# KiCad board SmartCubePanel.kicad_pcb (continued)
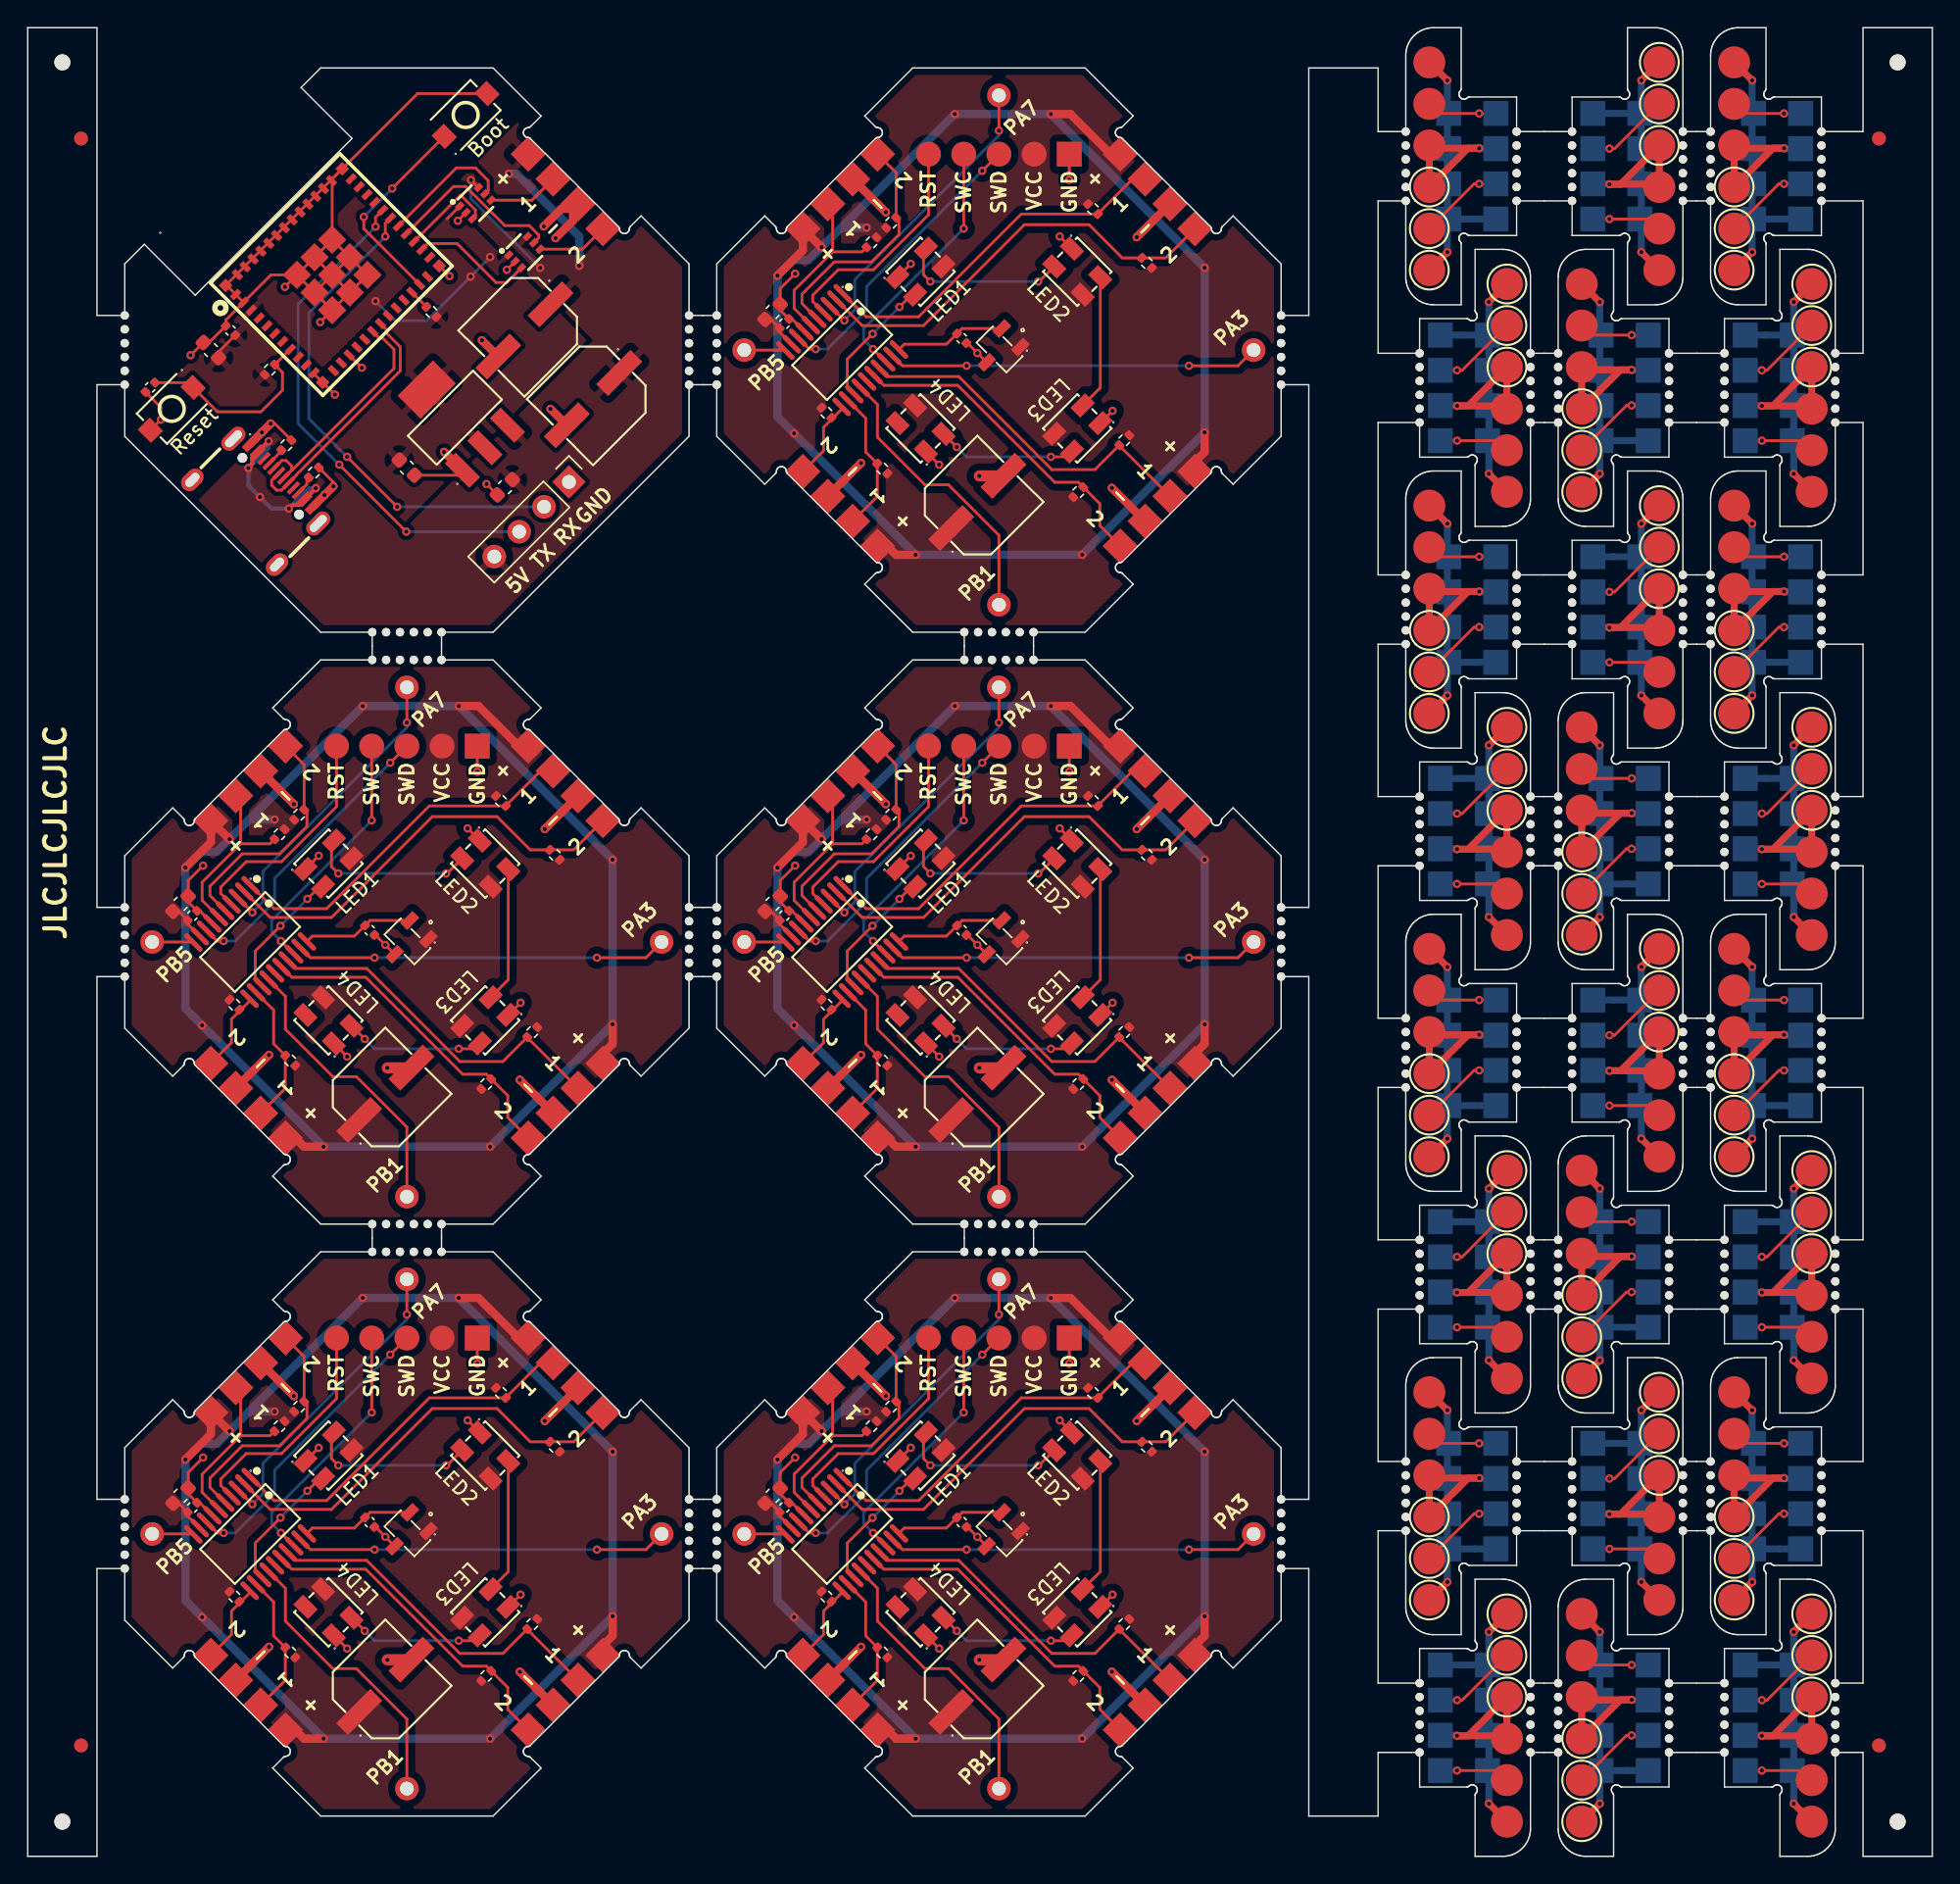
[diagram p0: board, top side]
## Nets (continued)
Board_1-Net-(LED1-DOUT): M_1_LED1.4 M_1_LED2.2
Board_1-Net-(LED2-DOUT): M_1_LED2.4 M_1_LED3.2
Board_1-Net-(LED3-DOUT): M_1_LED3.4 M_1_LED4.2
Board_1-unconnected-(LED4-DOUT-Pad4): M_1_LED4.4
Board_1-unconnected-(U1-PB0-Pad15): M_1_U1.15
Board_2-+5V: M_2_C1.2 M_2_C2.2 M_2_C4.1 M_2_J1.2 M_2_LED1.3 M_2_LED2.3 M_2_LED3.3 M_2_LED4.3 M_2_PinHeaderBottom1.1 M_2_PinHeaderLeft1.1 M_2_PinHeaderRight1.1 M_2_PinHeaderTop1.1 M_2_R1.1 M_2_R2.1 M_2_R3.1 M_2_R4.1 M_2_R5.1 M_2_R6.1 M_2_R7.1 M_2_R8.1 M_2_U1.9 M_2_U6.1
Board_2-/DataBottom1: M_2_PinHeaderBottom1.2 M_2_R6.2 M_2_U1.17
Board_2-/DataBottom2: M_2_PinHeaderBottom1.4 M_2_R5.2 M_2_U1.16
Board_2-/DataLeft1: M_2_PinHeaderLeft1.2 M_2_R8.2 M_2_U1.12
Board_2-/DataLeft2: M_2_PinHeaderLeft1.4 M_2_R7.2 M_2_U1.11
Board_2-/DataRight1: M_2_PinHeaderRight1.2 M_2_R4.2 M_2_U1.1
Board_2-/DataRight2: M_2_PinHeaderRight1.4 M_2_R3.2 M_2_U1.2
Board_2-/DataTop1: M_2_PinHeaderTop1.2 M_2_R2.2 M_2_U1.6
Board_2-/DataTop2: M_2_PinHeaderTop1.4 M_2_R1.2 M_2_U1.5
Board_2-/HallAdc: M_2_C3.2 M_2_U1.20 M_2_U6.3
Board_2-/LedIn: M_2_LED1.2 M_2_U1.13
Board_2-/Reset: M_2_J1.5 M_2_U1.4
Board_2-/ShieldBottomLeft: M_2_J3.1 M_2_U1.14
Board_2-/ShieldBottomRight: M_2_J5.1 M_2_U1.19
Board_2-/ShieldTopLeft: M_2_J2.1 M_2_U1.10
Board_2-/ShieldTopRight: M_2_J4.1 M_2_U1.3
Board_2-/SWC: M_2_J1.4 M_2_U1.18
Board_2-/SWD: M_2_J1.3 M_2_U1.8
Board_2-GND: M_2_C1.1 M_2_C2.1 M_2_C3.1 M_2_C4.2 M_2_J1.1 M_2_LED1.1 M_2_LED2.1 M_2_LED3.1 M_2_LED4.1 M_2_PinHeaderBottom1.3 M_2_PinHeaderLeft1.3 M_2_PinHeaderRight1.3 M_2_PinHeaderTop1.3 M_2_U1.7 M_2_U6.2
Board_2-Net-(LED1-DOUT): M_2_LED1.4 M_2_LED2.2
Board_2-Net-(LED2-DOUT): M_2_LED2.4 M_2_LED3.2
Board_2-Net-(LED3-DOUT): M_2_LED3.4 M_2_LED4.2
Board_2-unconnected-(LED4-DOUT-Pad4): M_2_LED4.4
Board_2-unconnected-(U1-PB0-Pad15): M_2_U1.15
Board_3-+5V: M_3_C1.2 M_3_C2.2 M_3_C4.1 M_3_J1.2 M_3_LED1.3 M_3_LED2.3 M_3_LED3.3 M_3_LED4.3 M_3_PinHeaderBottom1.1 M_3_PinHeaderLeft1.1 M_3_PinHeaderRight1.1 M_3_PinHeaderTop1.1 M_3_R1.1 M_3_R2.1 M_3_R3.1 M_3_R4.1 M_3_R5.1 M_3_R6.1 M_3_R7.1 M_3_R8.1 M_3_U1.9 M_3_U6.1
Board_3-/DataBottom1: M_3_PinHeaderBottom1.2 M_3_R6.2 M_3_U1.17
Board_3-/DataBottom2: M_3_PinHeaderBottom1.4 M_3_R5.2 M_3_U1.16
Board_3-/DataLeft1: M_3_PinHeaderLeft1.2 M_3_R8.2 M_3_U1.12
Board_3-/DataLeft2: M_3_PinHeaderLeft1.4 M_3_R7.2 M_3_U1.11
Board_3-/DataRight1: M_3_PinHeaderRight1.2 M_3_R4.2 M_3_U1.1
Board_3-/DataRight2: M_3_PinHeaderRight1.4 M_3_R3.2 M_3_U1.2
Board_3-/DataTop1: M_3_PinHeaderTop1.2 M_3_R2.2 M_3_U1.6
Board_3-/DataTop2: M_3_PinHeaderTop1.4 M_3_R1.2 M_3_U1.5
Board_3-/HallAdc: M_3_C3.2 M_3_U1.20 M_3_U6.3
Board_3-/LedIn: M_3_LED1.2 M_3_U1.13
Board_3-/Reset: M_3_J1.5 M_3_U1.4
Board_3-/ShieldBottomLeft: M_3_J3.1 M_3_U1.14
Board_3-/ShieldBottomRight: M_3_J5.1 M_3_U1.19
Board_3-/ShieldTopLeft: M_3_J2.1 M_3_U1.10
Board_3-/ShieldTopRight: M_3_J4.1 M_3_U1.3
Board_3-/SWC: M_3_J1.4 M_3_U1.18
Board_3-/SWD: M_3_J1.3 M_3_U1.8
Board_3-GND: M_3_C1.1 M_3_C2.1 M_3_C3.1 M_3_C4.2 M_3_J1.1 M_3_LED1.1 M_3_LED2.1 M_3_LED3.1 M_3_LED4.1 M_3_PinHeaderBottom1.3 M_3_PinHeaderLeft1.3 M_3_PinHeaderRight1.3 M_3_PinHeaderTop1.3 M_3_U1.7 M_3_U6.2
Board_3-Net-(LED1-DOUT): M_3_LED1.4 M_3_LED2.2
Board_3-Net-(LED2-DOUT): M_3_LED2.4 M_3_LED3.2
Board_3-Net-(LED3-DOUT): M_3_LED3.4 M_3_LED4.2
Board_3-unconnected-(LED4-DOUT-Pad4): M_3_LED4.4
Board_3-unconnected-(U1-PB0-Pad15): M_3_U1.15
Board_4-+5V: M_4_C1.2 M_4_C2.2 M_4_C4.1 M_4_J1.2 M_4_LED1.3 M_4_LED2.3 M_4_LED3.3 M_4_LED4.3 M_4_PinHeaderBottom1.1 M_4_PinHeaderLeft1.1 M_4_PinHeaderRight1.1 M_4_PinHeaderTop1.1 M_4_R1.1 M_4_R2.1 M_4_R3.1 M_4_R4.1 M_4_R5.1 M_4_R6.1 M_4_R7.1 M_4_R8.1 M_4_U1.9 M_4_U6.1
Board_4-/DataBottom1: M_4_PinHeaderBottom1.2 M_4_R6.2 M_4_U1.17
Board_4-/DataBottom2: M_4_PinHeaderBottom1.4 M_4_R5.2 M_4_U1.16
Board_4-/DataLeft1: M_4_PinHeaderLeft1.2 M_4_R8.2 M_4_U1.12
Board_4-/DataLeft2: M_4_PinHeaderLeft1.4 M_4_R7.2 M_4_U1.11
Board_4-/DataRight1: M_4_PinHeaderRight1.2 M_4_R4.2 M_4_U1.1
Board_4-/DataRight2: M_4_PinHeaderRight1.4 M_4_R3.2 M_4_U1.2
Board_4-/DataTop1: M_4_PinHeaderTop1.2 M_4_R2.2 M_4_U1.6
Board_4-/DataTop2: M_4_PinHeaderTop1.4 M_4_R1.2 M_4_U1.5
Board_4-/HallAdc: M_4_C3.2 M_4_U1.20 M_4_U6.3
Board_4-/LedIn: M_4_LED1.2 M_4_U1.13
Board_4-/Reset: M_4_J1.5 M_4_U1.4
Board_4-/ShieldBottomLeft: M_4_J3.1 M_4_U1.14
Board_4-/ShieldBottomRight: M_4_J5.1 M_4_U1.19
Board_4-/ShieldTopLeft: M_4_J2.1 M_4_U1.10
Board_4-/ShieldTopRight: M_4_J4.1 M_4_U1.3
Board_4-/SWC: M_4_J1.4 M_4_U1.18
Board_4-/SWD: M_4_J1.3 M_4_U1.8
Board_4-GND: M_4_C1.1 M_4_C2.1 M_4_C3.1 M_4_C4.2 M_4_J1.1 M_4_LED1.1 M_4_LED2.1 M_4_LED3.1 M_4_LED4.1 M_4_PinHeaderBottom1.3 M_4_PinHeaderLeft1.3 M_4_PinHeaderRight1.3 M_4_PinHeaderTop1.3 M_4_U1.7 M_4_U6.2
Board_4-Net-(LED1-DOUT): M_4_LED1.4 M_4_LED2.2
Board_4-Net-(LED2-DOUT): M_4_LED2.4 M_4_LED3.2
Board_4-Net-(LED3-DOUT): M_4_LED3.4 M_4_LED4.2
Board_4-unconnected-(LED4-DOUT-Pad4): M_4_LED4.4
Board_4-unconnected-(U1-PB0-Pad15): M_4_U1.15
Board_5-+5V: M_5_C1.2 M_5_C2.2 M_5_C4.1 M_5_J1.2 M_5_LED1.3 M_5_LED2.3 M_5_LED3.3 M_5_LED4.3 M_5_PinHeaderBottom1.1 M_5_PinHeaderLeft1.1 M_5_PinHeaderRight1.1 M_5_PinHeaderTop1.1 M_5_R1.1 M_5_R2.1 M_5_R3.1 M_5_R4.1 M_5_R5.1 M_5_R6.1 M_5_R7.1 M_5_R8.1 M_5_U1.9 M_5_U6.1
Board_5-/DataBottom1: M_5_PinHeaderBottom1.2 M_5_R6.2 M_5_U1.17
Board_5-/DataBottom2: M_5_PinHeaderBottom1.4 M_5_R5.2 M_5_U1.16
Board_5-/DataLeft1: M_5_PinHeaderLeft1.2 M_5_R8.2 M_5_U1.12
Board_5-/DataLeft2: M_5_PinHeaderLeft1.4 M_5_R7.2 M_5_U1.11
Board_5-/DataRight1: M_5_PinHeaderRight1.2 M_5_R4.2 M_5_U1.1
Board_5-/DataRight2: M_5_PinHeaderRight1.4 M_5_R3.2 M_5_U1.2
Board_5-/DataTop1: M_5_PinHeaderTop1.2 M_5_R2.2 M_5_U1.6
Board_5-/DataTop2: M_5_PinHeaderTop1.4 M_5_R1.2 M_5_U1.5
Board_5-/HallAdc: M_5_C3.2 M_5_U1.20 M_5_U6.3
Board_5-/LedIn: M_5_LED1.2 M_5_U1.13
Board_5-/Reset: M_5_J1.5 M_5_U1.4
Board_5-/ShieldBottomLeft: M_5_J3.1 M_5_U1.14
Board_5-/ShieldBottomRight: M_5_J5.1 M_5_U1.19
Board_5-/ShieldTopLeft: M_5_J2.1 M_5_U1.10
Board_5-/ShieldTopRight: M_5_J4.1 M_5_U1.3
Board_5-/SWC: M_5_J1.4 M_5_U1.18
Board_5-/SWD: M_5_J1.3 M_5_U1.8
Board_5-GND: M_5_C1.1 M_5_C2.1 M_5_C3.1 M_5_C4.2 M_5_J1.1 M_5_LED1.1 M_5_LED2.1 M_5_LED3.1 M_5_LED4.1 M_5_PinHeaderBottom1.3 M_5_PinHeaderLeft1.3 M_5_PinHeaderRight1.3 M_5_PinHeaderTop1.3 M_5_U1.7 M_5_U6.2
Board_5-Net-(LED1-DOUT): M_5_LED1.4 M_5_LED2.2
Board_5-Net-(LED2-DOUT): M_5_LED2.4 M_5_LED3.2
Board_5-Net-(LED3-DOUT): M_5_LED3.4 M_5_LED4.2
Board_5-unconnected-(LED4-DOUT-Pad4): M_5_LED4.4
Board_5-unconnected-(U1-PB0-Pad15): M_5_U1.15
Board_6-+5V: POGO_6_J2.1 POGO_6_J4.1 POGO_6_J5.1 POGO_6_J5.2 POGO_6_J5.3 POGO_6_J5.4 POGO_6_U1.1
Board_6-/Data1: POGO_6_J2.2 POGO_6_U2.1
Board_6-/Data2: POGO_6_J2.4 POGO_6_J3.1
Board_6-GND: POGO_6_J1.1 POGO_6_J2.3 POGO_6_U3.1
Board_7-+5V: POGO_7_J2.1 POGO_7_J4.1 POGO_7_J5.1 POGO_7_J5.2 POGO_7_J5.3 POGO_7_J5.4 POGO_7_U1.1
Board_7-/Data1: POGO_7_J2.2 POGO_7_U2.1
Board_7-/Data2: POGO_7_J2.4 POGO_7_J3.1
Board_7-GND: POGO_7_J1.1 POGO_7_J2.3 POGO_7_U3.1
Board_8-+5V: POGO_8_J2.1 POGO_8_J4.1 POGO_8_J5.1 POGO_8_J5.2 POGO_8_J5.3 POGO_8_J5.4 POGO_8_U1.1
Board_8-/Data1: POGO_8_J2.2 POGO_8_U2.1
Board_8-/Data2: POGO_8_J2.4 POGO_8_J3.1
Board_8-GND: POGO_8_J1.1 POGO_8_J2.3 POGO_8_U3.1
Board_9-+5V: POGO_9_J2.1 POGO_9_J4.1 POGO_9_J5.1 POGO_9_J5.2 POGO_9_J5.3 POGO_9_J5.4 POGO_9_U1.1
Board_9-/Data1: POGO_9_J2.2 POGO_9_U2.1
Board_9-/Data2: POGO_9_J2.4 POGO_9_J3.1
Board_9-GND: POGO_9_J1.1 POGO_9_J2.3 POGO_9_U3.1
Board_10-+5V: POGO_10_J2.1 POGO_10_J4.1 POGO_10_J5.1 POGO_10_J5.2 POGO_10_J5.3 POGO_10_J5.4 POGO_10_U1.1
Board_10-/Data1: POGO_10_J2.2 POGO_10_U2.1
Board_10-/Data2: POGO_10_J2.4 POGO_10_J3.1
Board_10-GND: POGO_10_J1.1 POGO_10_J2.3 POGO_10_U3.1
Board_11-+5V: POGO_11_J2.1 POGO_11_J4.1 POGO_11_J5.1 POGO_11_J5.2 POGO_11_J5.3 POGO_11_J5.4 POGO_11_U1.1
Board_11-/Data1: POGO_11_J2.2 POGO_11_U2.1
Board_11-/Data2: POGO_11_J2.4 POGO_11_J3.1
Board_11-GND: POGO_11_J1.1 POGO_11_J2.3 POGO_11_U3.1
Board_12-+5V: POGO_12_J2.1 POGO_12_J4.1 POGO_12_J5.1 POGO_12_J5.2 POGO_12_J5.3 POGO_12_J5.4 POGO_12_U1.1
Board_12-/Data1: POGO_12_J2.2 POGO_12_U2.1
Board_12-/Data2: POGO_12_J2.4 POGO_12_J3.1
Board_12-GND: POGO_12_J1.1 POGO_12_J2.3 POGO_12_U3.1
Board_13-+5V: POGO_13_J2.1 POGO_13_J4.1 POGO_13_J5.1 POGO_13_J5.2 POGO_13_J5.3 POGO_13_J5.4 POGO_13_U1.1
Board_13-/Data1: POGO_13_J2.2 POGO_13_U2.1
Board_13-/Data2: POGO_13_J2.4 POGO_13_J3.1
Board_13-GND: POGO_13_J1.1 POGO_13_J2.3 POGO_13_U3.1
Board_14-+5V: POGO_14_J2.1 POGO_14_J4.1 POGO_14_J5.1 POGO_14_J5.2 POGO_14_J5.3 POGO_14_J5.4 POGO_14_U1.1
Board_14-/Data1: POGO_14_J2.2 POGO_14_U2.1
Board_14-/Data2: POGO_14_J2.4 POGO_14_J3.1
Board_14-GND: POGO_14_J1.1 POGO_14_J2.3 POGO_14_U3.1
Board_15-+5V: POGO_15_J2.1 POGO_15_J4.1 POGO_15_J5.1 POGO_15_J5.2 POGO_15_J5.3 POGO_15_J5.4 POGO_15_U1.1
Board_15-/Data1: POGO_15_J2.2 POGO_15_U2.1
Board_15-/Data2: POGO_15_J2.4 POGO_15_J3.1
Board_15-GND: POGO_15_J1.1 POGO_15_J2.3 POGO_15_U3.1
Board_16-+5V: POGO_16_J2.1 POGO_16_J4.1 POGO_16_J5.1 POGO_16_J5.2 POGO_16_J5.3 POGO_16_J5.4 POGO_16_U1.1
Board_16-/Data1: POGO_16_J2.2 POGO_16_U2.1
Board_16-/Data2: POGO_16_J2.4 POGO_16_J3.1
Board_16-GND: POGO_16_J1.1 POGO_16_J2.3 POGO_16_U3.1
Board_17-+5V: POGO_17_J2.1 POGO_17_J4.1 POGO_17_J5.1 POGO_17_J5.2 POGO_17_J5.3 POGO_17_J5.4 POGO_17_U1.1
Board_17-/Data1: POGO_17_J2.2 POGO_17_U2.1
Board_17-/Data2: POGO_17_J2.4 POGO_17_J3.1
Board_17-GND: POGO_17_J1.1 POGO_17_J2.3 POGO_17_U3.1
Board_18-+5V: POGO_18_J2.1 POGO_18_J4.1 POGO_18_J5.1 POGO_18_J5.2 POGO_18_J5.3 POGO_18_J5.4 POGO_18_U1.1
Board_18-/Data1: POGO_18_J2.2 POGO_18_U2.1
Board_18-/Data2: POGO_18_J2.4 POGO_18_J3.1
Board_18-GND: POGO_18_J1.1 POGO_18_J2.3 POGO_18_U3.1
Board_19-+5V: POGO_19_J2.1 POGO_19_J4.1 POGO_19_J5.1 POGO_19_J5.2 POGO_19_J5.3 POGO_19_J5.4 POGO_19_U1.1
Board_19-/Data1: POGO_19_J2.2 POGO_19_U2.1
Board_19-/Data2: POGO_19_J2.4 POGO_19_J3.1
Board_19-GND: POGO_19_J1.1 POGO_19_J2.3 POGO_19_U3.1
Board_20-+5V: POGO_20_J2.1 POGO_20_J4.1 POGO_20_J5.1 POGO_20_J5.2 POGO_20_J5.3 POGO_20_J5.4 POGO_20_U1.1
Board_20-/Data1: POGO_20_J2.2 POGO_20_U2.1
Board_20-/Data2: POGO_20_J2.4 POGO_20_J3.1
Board_20-GND: POGO_20_J1.1 POGO_20_J2.3 POGO_20_U3.1
Board_21-+5V: POGO_21_J2.1 POGO_21_J4.1 POGO_21_J5.1 POGO_21_J5.2 POGO_21_J5.3 POGO_21_J5.4 POGO_21_U1.1
Board_21-/Data1: POGO_21_J2.2 POGO_21_U2.1
Board_21-/Data2: POGO_21_J2.4 POGO_21_J3.1
Board_21-GND: POGO_21_J1.1 POGO_21_J2.3 POGO_21_U3.1
Board_22-+5V: POGO_22_J2.1 POGO_22_J4.1 POGO_22_J5.1 POGO_22_J5.2 POGO_22_J5.3 POGO_22_J5.4 POGO_22_U1.1
Board_22-/Data1: POGO_22_J2.2 POGO_22_U2.1
Board_22-/Data2: POGO_22_J2.4 POGO_22_J3.1
Board_22-GND: POGO_22_J1.1 POGO_22_J2.3 POGO_22_U3.1
Board_23-+5V: POGO_23_J2.1 POGO_23_J4.1 POGO_23_J5.1 POGO_23_J5.2 POGO_23_J5.3 POGO_23_J5.4 POGO_23_U1.1
Board_23-/Data1: POGO_23_J2.2 POGO_23_U2.1
Board_23-/Data2: POGO_23_J2.4 POGO_23_J3.1
Board_23-GND: POGO_23_J1.1 POGO_23_J2.3 POGO_23_U3.1
Board_24-+5V: POGO_24_J2.1 POGO_24_J4.1 POGO_24_J5.1 POGO_24_J5.2 POGO_24_J5.3 POGO_24_J5.4 POGO_24_U1.1
Board_24-/Data1: POGO_24_J2.2 POGO_24_U2.1
Board_24-/Data2: POGO_24_J2.4 POGO_24_J3.1
Board_24-GND: POGO_24_J1.1 POGO_24_J2.3 POGO_24_U3.1
Board_25-+5V: POGO_25_J2.1 POGO_25_J4.1 POGO_25_J5.1 POGO_25_J5.2 POGO_25_J5.3 POGO_25_J5.4 POGO_25_U1.1
Board_25-/Data1: POGO_25_J2.2 POGO_25_U2.1
Board_25-/Data2: POGO_25_J2.4 POGO_25_J3.1
Board_25-GND: POGO_25_J1.1 POGO_25_J2.3 POGO_25_U3.1
Board_26-+5V: POGO_26_J2.1 POGO_26_J4.1 POGO_26_J5.1 POGO_26_J5.2 POGO_26_J5.3 POGO_26_J5.4 POGO_26_U1.1
Board_26-/Data1: POGO_26_J2.2 POGO_26_U2.1
Board_26-/Data2: POGO_26_J2.4 POGO_26_J3.1
Board_26-GND: POGO_26_J1.1 POGO_26_J2.3 POGO_26_U3.1
Board_27-+5V: POGO_27_J2.1 POGO_27_J4.1 POGO_27_J5.1 POGO_27_J5.2 POGO_27_J5.3 POGO_27_J5.4 POGO_27_U1.1
Board_27-/Data1: POGO_27_J2.2 POGO_27_U2.1
Board_27-/Data2: POGO_27_J2.4 POGO_27_J3.1
Board_27-GND: POGO_27_J1.1 POGO_27_J2.3 POGO_27_U3.1
Board_28-+5V: POGO_28_J2.1 POGO_28_J4.1 POGO_28_J5.1 POGO_28_J5.2 POGO_28_J5.3 POGO_28_J5.4 POGO_28_U1.1
Board_28-/Data1: POGO_28_J2.2 POGO_28_U2.1
Board_28-/Data2: POGO_28_J2.4 POGO_28_J3.1
Board_28-GND: POGO_28_J1.1 POGO_28_J2.3 POGO_28_U3.1
Board_29-+5V: POGO_29_J2.1 POGO_29_J4.1 POGO_29_J5.1 POGO_29_J5.2 POGO_29_J5.3 POGO_29_J5.4 POGO_29_U1.1
Board_29-/Data1: POGO_29_J2.2 POGO_29_U2.1
Board_29-/Data2: POGO_29_J2.4 POGO_29_J3.1
Board_29-GND: POGO_29_J1.1 POGO_29_J2.3 POGO_29_U3.1

## Via types
v1: diameter 0.6, hole 0.3, Top to Bottom, 339 vias

## Routing (per net, layer and track width the routed paths; a pad name or vN(x,y) marks a point on that pad's centre or on a via; arc(x,y) is an arc through that point)
Board_0-+3.3V: length 14.2
  Top w0.2: PSU_0_U8.1 30.26,118.2 ; PSU_0_C3.1 13.77,108.6 PSU_0_C2.1
  Bottom w0.2: v1(25.1,112.26) 26.52,110.85 28.78,110.85 v1(31.96,114.03) v1(33.38,115.45)
Board_0-+5V: length 33.3
  Top w0.2: PSU_0_U8.6 32,121 v1(31.99,121)
  Top w0.3: v1(17.4,102.15) PSU_0_U7.2 16.2,100.95 16.2,100.53 15.91,100.24 ; v1(18.85,97.29) 19.12,97.56 19.59,97.56 PSU_0_U7.11 v1(20.79,98.76)
  Bottom w0.2: v1(31.99,121) 31.99,119.66 v1(36.98,114.67)
  Bottom w0.3: v1(17.4,102.15) 17.4,101.68 v1(15.93,100.21) 15.93,98.95 v1(16.76,98.12) 17.59,97.29 v1(18.85,97.29) 20.32,98.76 v1(20.79,98.76)
  Bottom w0.6: v1(39.81,114.81) 39.81,116.93 35.29,121.46 v1(34.72,121.46)
Board_0-/DataTop1_3V3: length 9
  Top w0.2: PSU_0_U5.3 34.58,113.61 33.8,113.61 30.99,116.42 28.87,116.42 PSU_0_U4.26
Board_0-/DataTop1_5V: length 5.1
  Top w0.2: PSU_0_U9.4 40.04,116.01 PSU_0_U5.4
Board_0-/DataTop2_3V3: length 7
  Top w0.2: PSU_0_U8.3 32.32,118.42 32.32,118.84 31.25,119.91 31.23,119.91 PSU_0_U4.27
Board_0-/DataTop2_5V: length 5.1
  Top w0.2: PSU_0_U9.2 36.39,119.55 PSU_0_U8.4
Board_0-DIR1: length 13.1
  Top w0.2: PSU_0_U4.28 30.72,120.54 31.61,120.54 34.43,117.72 36.2,117.72 36.88,117.04 36.88,116.83 PSU_0_U5.5
Board_0-DIR2: length 9.7
  Top w0.2: PSU_0_U8.5 33.23,120.25 33.23,120.96 32.32,121.88 30.94,121.88 PSU_0_U4.29
Board_0-EN: length 14.8
  Top w0.2: PSU_0_C1.1 11.59,106.38 PSU_0_U2.2 ; PSU_0_U2.2 12.22,105.75 ; PSU_0_U2.2 13.7,104.27 16.83,104.27 18.39,105.83 18.39,107.12 PSU_0_R1.2 18.93,108.78 PSU_0_U4.8
Board_0-GND: length 98.9
  Top w0.2: PSU_0_R4.1 22.06,99.2 v1(22.06,98.9) ; PSU_0_U5.2 v1(34.58,114.53) ; PSU_0_U4.49 PSU_0_U4.49 ; PSU_0_U4.49 PSU_0_U4.49 PSU_0_U4.49 ; PSU_0_U4.49 v1(21.11,110.74) ; PSU_0_U4.49 PSU_0_U4.49 ; PSU_0_U4.49 17.55,114.16 PSU_0_U4.2 ; PSU_0_U4.49 v1(18.56,113.29) ; v1(24.11,107.46) PSU_0_U4.14 ; PSU_0_U4.49 21.97,121.09 PSU_0_U4.50 ; 18.89,102.37 17.83,103.43 v1(17.54,103.43) ; PSU_0_U4.11 20.67,107.01 PSU_0_U4.52 v1(22.17,105.51) ; PSU_0_U8.2 v1(31.04,118.06) ; v1(33.11,99.06) PSU_0_C4.1 ; v1(30.44,114.07) PSU_0_U4.51 ; PSU_0_U3.1 28.13,127.24 PSU_0_U4.50 ; PSU_0_U6.1 31.02,99.7 PSU_0_C5.2 ; PSU_0_U4.49 PSU_0_U4.49 ; 14.39,113.29 14.46,113.29 PSU_0_U4.2 ; PSU_0_U4.2 14.3,110.9 PSU_0_C3.2 13.09,109.28 PSU_0_C2.2 v1(11.76,108.36) ; PSU_0_U4.53 PSU_0_U4.50 ; PSU_0_U4.49 PSU_0_U4.49 ; PSU_0_C1.2 9.62,104.59 v1(9.62,103.71) PSU_0_U2.1
  Top w0.6: v1(17.54,103.43) v1(16.9,102.79) PSU_0_U7.1 ; v1(38.09,116.81) 39.37,118.08 39.37,118.93 38.52,118.93 v1(37.24,117.66) ; PSU_0_U7.12 v1(21.43,98.26) v1(22.06,98.9) ; v1(37.73,104.49) PSU_0_C7.2 ; PSU_0_U6.1 v1(30.05,101.38) ; v1(32.78,109.44) PSU_0_C6.2
Board_0-IO8: length 1.5
  Top w0.2: PSU_0_U4.22 PSU_0_R2.1
Board_0-IO9: length 14.8
  Top w0.2: PSU_0_U4.23 24.25,117.5 v1(24.25,118.35) ; v1(26.31,120.4) PSU_0_U3.2
  Bottom w0.2: v1(24.25,118.35) v1(26.31,120.4)
Board_0-PWR_USB_CC1: length 1.4
  Top w0.2: PSU_0_U7.4 18.17,101.3 18.17,101.65
Board_0-PWR_USB_CC2: length 1.2
  Top w0.2: 20.15,99.39 20.15,99.03 PSU_0_U7.10
Board_0-RX: length 36.5
  Top w0.2: v1(23.05,101.02) v1(26.66,97.42) ; PSU_0_U4.30 25.81,117.89 v1(25.81,116.93)
  Bottom w0.2: v1(25.81,116.93) 20.29,111.42 20.29,103.78 v1(23.05,101.02) ; v1(26.66,97.42) PSU_0_J1.2
Board_0-TX: length 37.1
  Top w0.2: PSU_0_U4.31 25.1,118.31 v1(25.1,117.64) ; v1(22.49,100.46) v1(27.32,95.62)
  Bottom w0.2: v1(22.49,100.46) 19.52,103.43 19.52,112.05 v1(25.1,117.64) ; v1(27.32,95.62) PSU_0_J1.3
Board_0-USB_D+: length 18.1
  Top w0.2: PSU_0_U4.18 25.88,110.21 25.88,109.97 26.88,108.96 26.88,107.22 19.41,99.75 19.41,99.71 PSU_0_U7.8 18.31,98.62 17.96,98.62 17.61,98.97 17.61,99.32 PSU_0_U7.6
Board_0-USB_D-: length 17.5
  Top w0.2: PSU_0_U7.5 18.33,100.76 18.65,100.76 19.04,100.37 19.04,100.05 PSU_0_U7.7 19.06,100.07 19.09,100.07 26.43,107.41 26.43,108.78 25.56,109.65 25.31,109.65 PSU_0_U4.17
Board_1-+5V: length 123.4
  Top w0.2: M_1_U1.9 11.54,67.29 M_1_C2.2 10.9,68.21 M_1_C1.2
  Top w0.6: 35.77,79.8 32.53,83.03 v1(31.11,83.03) ; 41.16,57.59 42.21,58.65 v1(42.21,60.06) ; v1(21.36,51.22) 19.94,51.22 18.96,52.2 ; v1(11.39,71.37) 13.22,73.21 M_1_PinHeaderTop1.1 14.55,73.42 v1(14.57,73.42)
  Bottom w0.6: 15.98,74.84 v1(17.82,74.84) ; 15.98,74.84 v1(14.57,73.42) 13.65,72.51 12.52,72.51 v1(11.39,71.37) 11.39,61.19 v1(12.59,59.99) v1(21.36,51.22) v1(33.38,51.22) v1(42.21,60.06) v1(42.21,71.94) 42.21,71.94 v1(31.11,83.03) v1(24.18,83.03) 24.18,83.03 15.98,74.84
Board_1-/DataBottom1: length 26.2
  Top w0.2: M_1_U1.17 19.34,64.09 24.47,64.09 31.18,57.37 34.3,57.37 M_1_R6.2 36.06,59.11 M_1_PinHeaderBottom1.2
Board_1-/DataBottom2: length 23.9
  Top w0.2: M_1_U1.16 19.06,63.45 24.4,63.45 31.4,56.45 33.11,56.45 M_1_R5.2 34.65,54.91 34.65,53.33 M_1_PinHeaderBottom1.4
Board_1-/DataLeft1: length 10.3
  Top w0.2: M_1_PinHeaderLeft1.2 18.59,55.43 M_1_R8.2 17.75,58.65 17.75,61.09 M_1_U1.12
Board_1-/DataLeft2: length 5.8
  Top w0.2: M_1_U1.11 16.01,61.73 14.71,60.43 14.71,58.73 M_1_PinHeaderLeft1.4
Board_1-/DataRight1: length 26.7
  Top w0.2: M_1_PinHeaderRight1.2 37.02,78.35 34.49,75.82 28.98,75.82 21.57,68.4 17.78,68.4 M_1_U1.1
Board_1-/DataRight2: length 31.5
  Top w0.2: M_1_PinHeaderRight1.4 39.41,72.65 36.27,72.65 33.87,75.05 29.2,75.05 21.92,67.77 17.5,67.77 M_1_U1.2
Board_1-/DataTop1: length 13.1
  Top w0.2: M_1_R2.2 17.49,73.09 15.37,73.09 ; M_1_U1.6 12.59,69.01 12.59,70.31 15.37,73.09 ; 15.37,73.09 15.37,76.2 M_1_PinHeaderTop1.2
Board_1-/DataTop2: length 17.5
  Top w0.2: M_1_U1.5 13.15,69.36 13.15,70.03 15.49,72.36 18.17,72.36 20.15,74.34 20.15,75.35 M_1_R1.2 19.95,78.81 M_1_PinHeaderTop1.4
Board_1-/HallAdc: length 8.1
  Top w0.2: M_1_U6.3 24.71,67.56 M_1_C3.2 23.58,66.42 20.54,66.42 M_1_U1.20
Board_1-/LedIn: length 9.6
  Top w0.2: M_1_LED1.2 21.07,70 v1(20.19,69.11) ; M_1_U1.13 16.42,63.33 16.42,65.35 v1(18.24,67.17)
  Bottom w0.2: v1(20.19,69.11) v1(18.24,67.17)
Board_1-/Reset: length 16.7
  Top w0.2: M_1_J1.5 22.29,75.77 18.31,71.8 15.77,71.8 13.93,69.96 13.93,69.5 M_1_U1.4
Board_1-/ShieldBottomLeft: length 20.8
  Top w0.2: M_1_J3.1 27.37,52.64 23.72,56.28 22.03,56.28 18.6,59.71 18.6,62.08 M_1_U1.14
Board_1-/ShieldBottomRight: length 26.8
  Top w0.2: M_1_J5.1 44.62,64.87 v1(41.08,64.87) ; v1(25.03,64.87) 20.4,64.87 M_1_U1.19
  Bottom w0.2: v1(41.08,64.87) v1(25.03,64.87)
Board_1-/ShieldTopLeft: length 3
  Top w0.2: M_1_U1.10 11.92,66 M_1_J2.1
Board_1-/ShieldTopRight: length 22.3
  Top w0.2: v1(16.21,68.14) M_1_U1.3 ; v1(27.37,81.84) M_1_J4.1
  Bottom w0.2: v1(16.21,68.14) 16.97,68.9 16.97,71.09 27.37,81.49 v1(27.37,81.84)
Board_1-/SWC: length 18.7
  Top w0.2: v1(24.83,74.77) M_1_J1.4 ; v1(18.28,66.07) M_1_U1.18
  Bottom w0.2: v1(18.28,66.07) 17.61,66.74 17.61,67.56 v1(24.83,74.77)
Board_1-/SWD: length 21.7
  Top w0.2: M_1_U1.8 13.68,66.07 v1(14.14,66.07) ; v1(26.16,78.94) M_1_J1.3
  Bottom w0.2: v1(14.14,66.07) 14.99,66.07 17.82,68.9 17.82,70.6 v1(26.16,78.94)
Board_1-GND: length 29.9
  Top w0.2: M_1_LED1.1 20.05,71.27 v1(21,72.22) ; M_1_LED2.1 v1(31.75,74.2) ; M_1_LED3.1 v1(35.57,61.62) ; v1(32.45,78.29) M_1_J1.1 ; M_1_U6.2 v1(25.81,65.79) 25.09,66.51 M_1_C3.1 ; v1(12.66,71.52) 11.58,70.44 M_1_C1.1 11.58,68.89 M_1_C2.1 12.42,68.25 M_1_U1.7 ; M_1_LED4.1 v1(23.05,57.73)
  Top w0.6: v1(19.2,75.96) 19.2,75.96 M_1_PinHeaderTop1.3 ; v1(37.31,74.15) M_1_PinHeaderRight1.3 ; v1(35.52,56.05) M_1_PinHeaderBottom1.3 ; v1(17.42,57.85) M_1_PinHeaderLeft1.3
  Top w0.8: v1(25.95,56.91) 27.68,56.91 M_1_C4.2
Board_1-Net-(LED1-DOUT): length 12
  Top w0.2: M_1_LED2.2 30.26,70.95 v1(30.19,70.95) ; M_1_LED1.4 21.92,73.14 21.92,71.44 v1(22.42,70.95)
  Bottom w0.2: v1(30.19,70.95) v1(22.42,70.95)
Board_1-Net-(LED2-DOUT): length 9.8
  Top w0.2: M_1_LED3.2 34.68,63.28 M_1_LED2.4
Board_1-Net-(LED3-DOUT): length 10.1
  Top w0.2: v1(24.33,59) M_1_LED4.2 ; M_1_LED3.4 32.24,58.29 v1(31.11,58.29)
  Bottom w0.2: v1(24.33,59) 25.03,58.29 v1(31.11,58.29)
Board_2-+5V: length 123.4
  Top w0.2: M_2_U1.9 11.54,24.56 M_2_C2.2 10.9,25.48 M_2_C1.2
  Top w0.6: v1(14.57,30.7) 14.55,30.7 M_2_PinHeaderTop1.1 13.22,30.48 v1(11.39,28.65) ; v1(31.11,40.31) 32.53,40.31 35.77,37.07 ; v1(21.36,8.49) 19.94,8.49 18.96,9.48 ; 41.16,14.86 42.21,15.92 v1(42.21,17.33)
  Bottom w0.6: 15.98,32.11 v1(14.57,30.7) 13.65,29.78 12.52,29.78 v1(11.39,28.65) 11.39,18.46 v1(12.59,17.26) v1(21.36,8.49) v1(33.38,8.49) v1(42.21,17.33) v1(42.21,29.21) 42.21,29.21 v1(31.11,40.31) v1(24.18,40.31) 24.18,40.31 15.98,32.11 ; 15.98,32.11 v1(17.82,32.11)
Board_2-/DataBottom1: length 26.2
  Top w0.2: M_2_U1.17 19.34,21.36 24.47,21.36 31.18,14.64 34.3,14.64 M_2_R6.2 36.06,16.38 M_2_PinHeaderBottom1.2
Board_2-/DataBottom2: length 23.9
  Top w0.2: M_2_U1.16 19.06,20.73 24.4,20.73 31.4,13.73 33.11,13.73 M_2_R5.2 34.65,12.18 34.65,10.6 M_2_PinHeaderBottom1.4
Board_2-/DataLeft1: length 10.3
  Top w0.2: M_2_PinHeaderLeft1.2 18.59,12.7 M_2_R8.2 17.75,15.92 17.75,18.36 M_2_U1.12
Board_2-/DataLeft2: length 5.8
  Top w0.2: M_2_PinHeaderLeft1.4 14.71,16 14.71,17.7 16.01,19 M_2_U1.11
Board_2-/DataRight1: length 26.7
  Top w0.2: M_2_PinHeaderRight1.2 37.02,35.62 34.49,33.09 28.98,33.09 21.57,25.68 17.78,25.68 M_2_U1.1
Board_2-/DataRight2: length 31.5
  Top w0.2: M_2_PinHeaderRight1.4 39.41,29.92 36.27,29.92 33.87,32.32 29.2,32.32 21.92,25.04 17.5,25.04 M_2_U1.2
Board_2-/DataTop1: length 13.1
  Top w0.2: M_2_PinHeaderTop1.2 15.37,33.47 15.37,30.36 ; 15.37,30.36 17.49,30.36 M_2_R2.2 ; 15.37,30.36 12.59,27.58 12.59,26.28 M_2_U1.6
Board_2-/DataTop2: length 17.5
  Top w0.2: M_2_PinHeaderTop1.4 19.95,36.08 M_2_R1.2 20.15,32.62 20.15,31.61 18.17,29.63 15.49,29.63 13.15,27.3 13.15,26.63 M_2_U1.5
Board_2-/HallAdc: length 8.1
  Top w0.2: M_2_U1.20 20.54,23.7 23.58,23.7 M_2_C3.2 24.71,24.83 M_2_U6.3
Board_2-/LedIn: length 9.6
  Top w0.2: v1(20.19,26.38) 21.07,27.27 M_2_LED1.2 ; M_2_U1.13 16.42,20.6 16.42,22.62 v1(18.24,24.44)
  Bottom w0.2: v1(20.19,26.38) v1(18.24,24.44)
Board_2-/Reset: length 16.7
  Top w0.2: M_2_J1.5 22.29,33.04 18.31,29.07 15.77,29.07 13.93,27.23 13.93,26.77 M_2_U1.4
Board_2-/ShieldBottomLeft: length 20.8
  Top w0.2: M_2_J3.1 27.37,9.91 23.72,13.55 22.03,13.55 18.6,16.98 18.6,19.35 M_2_U1.14
Board_2-/ShieldBottomRight: length 26.8
  Top w0.2: v1(25.03,22.14) 20.4,22.14 M_2_U1.19 ; M_2_J5.1 44.62,22.14 v1(41.08,22.14)
  Bottom w0.2: v1(41.08,22.14) v1(25.03,22.14)
Board_2-/ShieldTopLeft: length 3
  Top w0.2: M_2_J2.1 11.92,23.27 M_2_U1.10
Board_2-/ShieldTopRight: length 22.3
  Top w0.2: v1(16.21,25.41) M_2_U1.3 ; v1(27.37,39.11) M_2_J4.1
  Bottom w0.2: v1(27.37,39.11) 27.37,38.76 16.97,28.36 16.97,26.17 v1(16.21,25.41)
Board_2-/SWC: length 18.7
  Top w0.2: v1(24.83,32.04) M_2_J1.4 ; v1(18.28,23.34) M_2_U1.18
  Bottom w0.2: v1(24.83,32.04) 17.61,24.83 17.61,24.01 v1(18.28,23.34)
Board_2-/SWD: length 21.7
  Top w0.2: v1(26.16,36.21) M_2_J1.3 ; v1(14.14,23.34) 13.68,23.34 M_2_U1.8
  Bottom w0.2: v1(26.16,36.21) 17.82,27.87 17.82,26.17 14.99,23.34 v1(14.14,23.34)
Board_2-GND: length 29.9
  Top w0.2: M_2_U6.2 v1(25.81,23.06) 25.09,23.78 M_2_C3.1 ; M_2_U1.7 12.42,25.52 M_2_C2.1 11.58,26.16 M_2_C1.1 11.58,27.71 v1(12.66,28.79) ; M_2_LED2.1 v1(31.75,31.47) ; M_2_LED4.1 v1(23.05,15) ; M_2_LED1.1 20.05,28.54 v1(21,29.49) ; M_2_LED3.1 v1(35.57,18.89) ; v1(32.45,35.56) M_2_J1.1
  Top w0.6: v1(17.42,15.12) M_2_PinHeaderLeft1.3 ; M_2_PinHeaderTop1.3 19.2,33.23 v1(19.2,33.23) ; v1(35.52,13.32) M_2_PinHeaderBottom1.3 ; v1(37.31,31.42) M_2_PinHeaderRight1.3
  Top w0.8: M_2_C4.2 27.68,14.18 v1(25.95,14.18)
Board_2-Net-(LED1-DOUT): length 12
  Top w0.2: M_2_LED2.2 30.26,28.22 v1(30.19,28.22) ; v1(22.42,28.22) 21.92,28.72 21.92,30.41 M_2_LED1.4
  Bottom w0.2: v1(30.19,28.22) v1(22.42,28.22)
Board_2-Net-(LED2-DOUT): length 9.8
  Top w0.2: M_2_LED2.4 34.68,20.55 M_2_LED3.2
Board_2-Net-(LED3-DOUT): length 10.1
  Top w0.2: v1(31.11,15.56) 32.24,15.56 M_2_LED3.4 ; v1(24.33,16.27) M_2_LED4.2
  Bottom w0.2: v1(31.11,15.56) 25.03,15.56 v1(24.33,16.27)
Board_3-+5V: length 123.4
  Top w0.2: M_3_U1.9 54.27,110.02 M_3_C2.2 53.63,110.94 M_3_C1.2
  Top w0.6: v1(64.08,93.95) 62.67,93.95 61.69,94.93 ; 83.89,100.32 84.94,101.38 v1(84.94,102.79) ; v1(57.3,116.15) 57.28,116.15 M_3_PinHeaderTop1.1 55.95,115.93 v1(54.11,114.1) ; 78.5,122.52 75.26,125.76 v1(73.84,125.76)
  Bottom w0.6: 58.71,117.57 v1(60.55,117.57) ; 58.71,117.57 v1(57.3,116.15) 56.38,115.23 55.25,115.23 v1(54.11,114.1) 54.11,103.92 v1(55.32,102.72) v1(64.08,93.95) v1(76.11,93.95) v1(84.94,102.79) v1(84.94,114.67) 84.94,114.67 v1(73.84,125.76) v1(66.91,125.76) 66.91,125.76 58.71,117.57